# KiCad board Rogelio Pineda part 3-AMLDC-2044B.kicad_pcb (continued)
## Nets (continued)
R0p13: UR0.2 UR0.5 UR0.10 UR0.13 US0.2 US0.5 US0.10 US0.13
R1p1: UR1.1
R1p2: UR1.2
R1p3: UR1.3
R1p4: UR1.4 UR1.13 US1.4 US1.13
R1p5: UR1.5 US1.5
R1p6: UR1.6
R1p7: UR1.7
R1p8: UR1.8
R1p9: UR1.9
R1p10: UR1.10
R1p11: UR1.11
R1p14: UR1.14
R1p15: UR1.15
R1p16: UR1.16
R2p1: UR2.1
R2p4: UR2.4
R2p8: UR2.8
R2p9: UR2.9
R2p11: UR2.11
R2p12: UR2.12
R2p13: UR2.13
R2p14: UR2.14
R2p15: UR2.15
R2p16: UR2.16
R3p1: UR3.1
R3p4: UR3.4
R3p9: UR3.9
R3p10: UR3.5 UR3.10 US3.5 US3.10
R3p12: UR3.12
R3p13: UR3.2 UR3.13 US3.2 US3.13
R4p1: UR4.1
R4p2: UR4.2
R4p3: UR4.3
R4p5: UR4.5
R4p6: UR4.6
R4p7: UR4.7
R4p8: UR4.8
R4p9: UR4.9
R4p10: UR4.10
R4p11: UR4.11
R4p13: UR4.4 UR4.13 US4.4 US4.13
R4p14: UR4.14
R4p15: UR4.15
R4p16: UR4.16
R5p1: UR5.1
R5p2: UR5.2
R5p3: UR5.3
R5p4: UR5.4
R5p5: UR5.5
R5p6: UR5.6
R5p7: UR5.7
R5p8: UR5.8
R5p9: UR5.9
R5p10: UR5.10
R5p11: UR5.11
R5p12: UR5.12
R5p13: UR5.13
R5p14: UR5.14
R6p1: UR6.1
R6p2: UR6.2
R6p3: UR6.3
R6p4: UR6.4
R6p5: UR6.5
R6p6: UR6.6
R6p8: UR6.8
R6p9: UR6.9
R6p10: UR6.10
R6p11: UR6.11
R6p12: UR6.12
R6p13: UR6.13
R7p1: UR7.1
R7p2: UR7.2
R7p3: UR7.3
R7p5: UR7.5
R7p8: UR7.8
R7p9: UR7.9
R7p10: UR7.10
R7p11: UR7.11
R7p12: UR7.12
R7p14: UR7.14
R78p1: R78.1
R82p2: R82.2
S0p1: US0.1
S0p3: US0.3 UT0.3 UU0.3 UV0.3 UW0.13
S0p4: US0.4
S0p6: US0.6 UT0.6 UU0.6 UV0.6 UW0.5
S0p8: US0.8 UT0.8 UU0.8 UV0.8 UW0.9
S0p9: US0.9
S0p11: US0.11 UT0.11 UU0.11 UV0.11 UW0.11
S0p12: US0.12
S1p1: US1.1
S1p2: US1.2
S1p3: US1.3
S1p6: US1.6
S1p7: US1.7
S1p8: US1.8
S1p9: US1.9
S1p10: US1.10
S1p11: US1.11
S1p14: US1.14
S1p15: US1.15
S1p16: US1.16
S2p1: US2.1 US2.2
S2p13: US2.13
S3p1: US3.1
S3p3: US3.3 UT3.3 UU3.3 UV3.3 UW3.13
S3p4: US3.4
S3p6: US3.6 UT3.6 UU3.6 UV3.6 UW3.5
S3p8: US3.8 UT3.8 UU3.8 UV3.8 UW3.9
S3p9: US3.9
S3p11: US3.11 UT3.11 UU3.11 UV3.11 UW3.11
S3p12: US3.12
S4p1: US4.1
S4p2: US4.2
S4p3: US4.3
S4p5: US4.5
S4p6: US4.6
S4p7: US4.7
S4p8: US4.8
S4p9: US4.9
S4p10: US4.10
S4p11: US4.11
S4p14: US4.14
S4p15: US4.15
S4p16: US4.16
S6p1: US6.1
S6p2: US6.2
S6p3: US6.3
S6p5: US6.5
S6p6: US6.6
S6p8: US6.8
S6p9: US6.9
S6p10: US6.10
S6p11: US6.11
S6p12: US6.12
S6p13: US6.13
S7p1: US7.1
S7p2: US7.2
S7p3: US7.3
S7p8: US7.8
S7p9: US7.9
S7p10: US7.10
S7p11: US7.11
S7p12: US7.12
S7p14: US7.14
SEL EN: J1.76
SPARE: J1.79 R56.1
STRT: J1.52
T0p1: UT0.1
T0p4: UT0.4
T0p9: UT0.9
T0p10: UT0.5 UT0.10
T0p12: UT0.12
T0p13: UT0.2 UT0.13
T1p3: UT1.3
T1p4: UT1.4
T1p5: UT1.5
T1p6: UT1.6
T1p8: UT1.8
T1p9: UT1.9
T1p10: UT1.10
T1p11: UT1.11
T2p1: UT2.1 UU2.3
T2p2: UT2.2 UU2.11
T2p4: UT2.4 UU2.6
T2p5: UT2.5 UU2.8
T2p6: UT2.6
T2p8: UT2.8
T2p9: UT2.9
T2p10: UT2.10
T2p12: UT2.12
T2p13: UT2.13
T3p1: UT3.1
T3p4: UT3.4
T3p9: UT3.9
T3p10: UT3.5 UT3.10
T3p12: UT3.12
T6p1: UT6.1
T6p2: UT6.2
T6p3: UT6.3
T6p4: UT6.4
T6p5: UT6.5
T6p6: UT6.6
T6p8: UT6.8
T6p9: UT6.9
T6p10: UT6.10
T6p11: UT6.11
T6p12: UT6.12
T6p13: UT6.13
T7p1: UT7.1
T7p2: UT7.2
T7p3: UT7.3
T7p5: UT7.5
T7p8: UT7.8
T7p9: UT7.9
T7p10: UT7.10
T7p11: UT7.11
T7p12: UT7.12
T7p14: UT7.14
TRK0: J1.84
TRK1: J1.86
TRK2: J1.87
TRK3: J1.83
TRK4: J1.89
TRK5: J1.91
TRK6: J1.73
U0p1: UU0.1
U0p2: UU0.2 UU0.13
U0p4: UU0.4
U0p9: UU0.9
U0p10: UU0.5 UU0.10
U1p1: UU1.1
U1p3: UU1.3 UV1.3 UW1.2
U1p4: UU1.4 UV1.4 UW1.7
U1p5: UU1.5
U1p6: UU1.6
U1p8: UU1.8
U1p9: UU1.9
U1p10: UU1.10 UV1.10 UW1.6
U1p11: UU1.11 UV1.11 UW1.3
U1p12: UU1.12
U1p13: UU1.13
U2p1: UU2.1
U2p2: UU2.2 UV2.12
U2p4: UU2.4
U2p5: UU2.5 UV2.10
U2p9: UU2.9 UV2.8
U2p10: UU2.10
U2p12: UU2.12
U2p13: UU2.13 UV2.2
U3p1: UU3.1
U3p4: UU3.4
U3p9: UU3.9
U3p10: UU3.5 UU3.10
U3p12: UU3.12
U3p13: UU3.2 UU3.13
U4p1: UU4.1
U4p2: UU4.2
U4p3: UU4.3 UV4.3 UW4.2
U4p4: UU4.4 UV4.4 UW4.7
U4p5: UU4.5
U4p6: UU4.6
U4p8: UU4.8
U4p9: UU4.9
U4p10: UU4.10 UV4.10 UW4.6
U4p11: UU4.11 UV4.11 UW4.3
U4p12: UU4.12
U4p13: UU4.13 UV4.13
U5p1: UU5.1
U5p2: UU5.2
U5p4: UU5.4
U5p5: UU5.5
U5p6: UU5.6
U5p8: UU5.8
U5p9: UU5.9
U5p10: UU5.10
U5p12: UU5.12
U5p13: UU5.13
W0p1: UW0.1
W0p2: UW0.2
W0p3: UW0.3
W0p4: UW0.4
W0p6: UW0.6
W0p8: UW0.8
W0p10: UW0.10
W0p12: UW0.12
W1p1: UW1.1
W1p8: UW1.8
W1p9: UW1.9
W1p10: UW1.10
W1p11: UW1.11
W1p13: UW1.4 UW1.13
W1p14: UW1.14
W1p15: UW1.15
W1p16: UW1.16
W2p1: UW2.1
W2p4: UW2.4
W2p6: UW2.6
W2p7: UW2.7
W2p8: UW2.8
W2p9: UW2.3 UW2.9
W2p10: UW2.2 UW2.10
W2p11: UW2.11
W2p13: UW2.13
W2p14: UW2.14
W2p15: UW2.15
W2p16: UW2.16
W3p1: UW3.1
W3p2: UW3.2
W3p3: UW3.3
W3p4: UW3.4
W3p6: UW3.6
W3p8: UW3.8
W3p12: UW3.12
W4p1: UW4.1
W4p8: UW4.8
W4p9: UW4.9
W4p10: UW4.10
W4p11: UW4.11
W4p13: UW4.4 UW4.13
W4p14: UW4.14
W4p15: UW4.15
W4p16: UW4.16
W5p1: UW5.1
W5p2: UW5.2
W5p3: UW5.3
W5p4: UW5.4
W5p5: UW5.5
W5p6: UW5.6
W5p7: UW5.7
W5p8: UW5.8
W5p9: UW5.9
W5p10: UW5.10
W5p11: UW5.11
W5p12: UW5.12
W5p13: UW5.13
W5p14: UW5.14
W5p15: UW5.15
W5p16: UW5.16
W6p1: UW6.1
W6p2: UW6.2
W6p3: UW6.3
W6p4: UW6.4
W6p5: UW6.5
W6p6: UW6.6
W6p8: UW6.8
W6p9: UW6.9
W6p10: UW6.10
W6p11: UW6.11
W6p12: UW6.12
W6p13: UW6.13
WALLOUT: J1.65
WRT: J1.88
~{DATA0}: J2.62
~{DATA1}: J2.65
~{DATA2}: J2.82
~{DATA3}: J2.73
~{DATA4}: J2.61
~{DATA5}: J2.57
~{DATA6}: J2.95
~{DATA7}: J2.55
~{DATA8}: J2.60
~{DATA9}: J2.63
~{DATA10}: J2.75
~{DATA11}: J2.58
~{DATA12}: J2.59
~{DATA13}: J2.64
~{DATA14}: J2.56
~{DATA15}: J2.66
~{DCHA}: J1.60
~{DCHM0}: J2.17
~{DCHM1}: J2.21
~{DCHP IN}: J1.94
~{DCHP OUT}: J1.93
~{DCHR}: J2.35
~{DS0}: J1.72
~{DS1}: J1.68
~{DS2}: J1.66
~{DS3}: J1.46
~{DS4}: J1.62
~{DS5}: J1.64
~{INTP IN}: J1.96
~{INTP OUT}: J1.95
~{INTR}: J2.29
~{MSKO}: J1.38
~{RQENB}: J2.41
~{SELB}: J1.82
~{SELD}: J1.80
/Net-(UG4A-Q): UG4.13

Pads without a net: C1 1 2; C2 1 2; C3 1 2; C4 1 2; C5 1 2; C6 1 2; C7 1 2; C8 2; C9 1 2; C10 1 2; C14 1; C17 1 2; C19 1 2; C20 1 2; C21 1 2; C22 1 2; C23 1 2; C24 1 2; C28 1; C29 1; C32 1; C33 1; C34 1; C35 1; C36 1 2; C37 1 2; C38 1 2; C40 1 2; C44 2; C46 2; C47 1 2; C48 1 2; C49 1 2; C50 1 2; C51 1 2; C52 1 2; C53 1 2; C54 1 2; C57 2; C62 1; C63 1 2; C69 2; C70 2; C71 1; CR2 1 2; CR4 1 2; CR5 1 2; J1 5 7 8 9 11 12 13 14 15 16 17 18 19 20 21 22 23 24 25 26 27 28 29 30 31 32 35 36 37 39 41 43 45 47 49 51 53 55 78 92; J2 5 7 8 9 10 12 14 16 18 20 22 24 26 28 30 31 32 34 40 42 43 44 45 46 47 48 51 52 54 67 68 69 70 71 72 74 76 77 78 79 80 83 85 86 87 88 89 90 91 92 93 94 96; JP1 1; JP4 1; JP5 1; JP7 1 2; JP8 1 2; R1 2; R2 2; R3 1 2; R4 1 2; R5 1 2; R6 1 2; R7 1; R8 1 2; R9 1; R10 1; R11 1 2; R12 1; R14 1 2; R15 2; R18 1; R20 1 2; R21 1 2; R22 1 2; R23 1 2; R24 1 2; R25 1; R26 1 2; R27 1; R28 1 2; R30 1; R31 1 2; R32 1; R33 2; R34 2; R37 1; R38 1; R39 1 2; R40 1 2; R41 1 2; R42 1 2; R43 1 2; R44 1 2; R45 1 2; R46 1 2; R47 2; R48 1 2; R50 2; R54 2; R55 1; R57 1 2; R58 1 2; R59 1 2; R60 1; R61 1 2; R62 1 2; R63 1 2; R64 1; R65 1; R66 1; R67 2; R68 2; R69 1 2; R72 1; R73 2; R74 1 2; R75 1 2; R76 1 2; R78 2; R79 1 2; R80 1 2; R81 1 2; R83 1 2; R84 1 2; R85 1; R86 1 2; R87 1; R88 1; R89 1 2; R90 1 2; R92 1; R94 1; UB5 7 14; UB6 7 9 10 14; UB7 7 14; UB8 4 6 7 13; UC0 14; UC5 7 14; UC6 7 14; UC7 7 14; UC8 7 14; UD5 8 16; UD6 7 14; UD7 7 14; UD8 7 13 14; UE3 4; UE5 5 7 14; UE6 7 14; UE7 3 11; UE8 7 14; UF0 14; UF5 7 14; UF6 7 14; UF7 7 14; UF8 3 7 11 14; UG0 9 10 13; UG4 1 3 11; UG5 7 13 14; UG6 7 14; UG7 7 14; UG8 7 11 12 13 14; UH5 7 14; UH6 7 14; UH7 7 14; UJ0 11 12; UJ6 7 14; UJ7 8 16; UK5 7 14; UK6 8 16; UK7 7 14; UK8 7 14; UL2 6; UL5 8 16; UL6 7 14; UL7 7 14; UM5 7 14; UM6 7 14; UM7 7 14; UM8 5 7 13; UN3 3; UN6 7 14; UN7 3 7 11 14; UP0 9; UP2 7; UP4 1 3 4 7 9 12 13; UP5 3 7 11 14; UP6 7 14; UP7 4 6 7 13; UR6 7 14; UR7 4 6 7 13; US2 3 4 5 6 8 9 10 11 12; US6 4 7 14; US7 4 5 6 7 13; UT2 3 11; UT6 7 14; UT7 4 6 7 13; UU0 12; UU1 2; UU5 3 7 11 14; UV2 11; UV4 8; UV6 2 7 14; UV7 7 14; UW3 10; UW6 7 14; Y1 1 2 3

## Via types
v1: diameter 0.6, hole 0.3, Top to Bottom, 734 vias
v2: diameter 0.8, hole 0.4, Top to Bottom, 22 vias
v3: diameter 0.8, hole 0.3, Top to Bottom, 1 via

## Routing (per net, layer and track width the routed paths; a pad name or vN(x,y) marks a point on that pad's centre or on a via; arc(x,y) is an arc through that point)
+5V: length 4303.4
  Top w0.15: J2.3 81.19,157.4 v2(81.38,157.38) 81.67,157.39 82.27,157.82 83.4,158.34 83.92,158.86 v1(83.72,188.39) 83.92,188.39
  Top w0.25: 379.78,252.56 v1(379.75,252.45) 378.13,252.56 377.77,252.19 377.68,252.28 ; 226.35,53.12 226.35,48.08 ; 226.35,53.12 R66.2 ; 226.35,53.12 226.5,52.97 226.5,55.34 226.76,55.6 ; 226.35,48.08 226.22,47.95 R65.2 ; 226.35,48.08 226.37,48.06 C32.2 ; 342.93,108.91 340.88,108.91 340.13,109.65 ; 226.59,30.94 226.59,20.25 ; 226.59,30.94 226.82,31.17 UV3.14 ; 226.59,30.94 226.37,31.16 C32.2 ; 226.59,20.25 226.69,20.15 R82.1 ; 226.59,20.25 226.59,13.2 ; 426.92,350.21 425.71,348.64 424.96,347.72 424.48,347.27 422.78,346.76 415.32,346.76 414.74,347.35 ; 414.09,286.69 414,286.77 414.11,286.88 414.11,305.99 ; 414.09,286.69 414.09,269.96 ; 414.09,286.69 416.33,286.69 ; 340.93,325.17 341.04,325.28 343.28,325.28 ; 340.93,325.17 340.68,325.42 340.68,330.09 340.68,336.6 341.09,337 ; 340.93,325.17 340.93,306.55 ; 341.3,193.23 341.44,193.09 v1(342.19,193.13) 342.23,193.09 342.31,193.17 ; 341.3,193.23 341.2,193.14 341.2,186.14 ; 341.3,193.23 341.3,219.86 ; 226.94,-6.55 200.41,-6.55 198.79,-4.93 ; 226.94,-6.55 226.59,-6.2 226.59,13.2 ; 226.94,-6.55 227.78,-5.71 261.58,-5.71 ; UH3.14 227.09,255.51 226.82,255.78 ; 413.94,193.06 413.91,193.03 ; 413.94,193.06 414.43,192.56 414.43,175.03 413.37,173.97 413.37,159.26 ; 413.94,193.06 413.94,195.29 v1(413.87,195.36) 413.94,195.42 413.94,205.28 ; 296.34,341.58 298.78,341.58 ; 296.34,341.58 296.08,341.85 296.08,358.21 ; 296.34,341.58 296.65,341.28 296.65,325.26 296.75,325.36 ; 226.76,58.41 226.76,55.6 ; 226.76,58.41 R60.2 ; 226.76,58.41 226.81,58.36 226.81,74.82 ; 226.76,55.6 226.76,55.24 227,55.48 UU3.14 ; 144.4,46.03 144.4,51.5 143.6,52.3 143.6,55.41 ; 144.4,46.03 145.89,44.54 C34.2 ; 144.4,46.03 144.4,41.22 145.62,40 145.62,31.66 ; 414.74,347.35 414.74,341.21 414.81,341.29 ; 414.74,347.35 414.74,366.73 414.13,367.33 378.05,367.33 ; 146.42,141.96 146.42,128 146.49,127.93 ; 146.42,141.96 146.42,170.2 146.49,170.27 ; 146.42,141.96 156.52,141.96 157.38,143.82 UN1.5 ; 296.39,170.38 296.39,186.57 296.14,186.81 ; 296.39,170.38 296.39,153.34 ; 296.39,170.38 296.54,170.24 298.53,170.24 ; UW3.14 227.39,13.39 226.9,12.9 226.59,13.2 ; 259.2,299.09 259.2,287.77 258.91,287.48 258.98,287.41 ; 259.2,299.09 259.2,298.23 259.21,298.23 v1(257.8,298.23) 257.8,298.26 ; 259.2,299.09 259.2,306.5 ; 296.39,153.34 296.58,153.53 298.78,153.53 ; 296.39,153.34 296.39,128.35 ; 296.39,110.33 296.39,76.32 296.37,76.3 ; 296.39,110.33 298.43,110.33 ; 296.39,110.34 296.39,128.35 ; UB3.14 227.25,359.24 227.23,359.22 ; 112.29,170.22 112.14,172.81 110.98,175.19 107.59,179.92 107.59,187.55 ; 112.29,170.22 UM0.14 ; 112.29,170.22 111.72,169.65 110.86,165.77 108.95,161.45 108.32,156.95 108.29,154.42 108,153.64 ; 106.36,364.86 108.18,366.69 140.08,366.69 ; 106.36,364.86 105.4,363.9 R37.2 ; 106.36,364.86 105.38,363.88 ; 378.17,306.13 380.08,306.13 ; 378.17,306.13 378.17,291.06 ; 378.17,306.13 378.24,306.21 378.24,325.19 ; 341.09,337 338.72,337 338.6,336.89 v1(338.6,336.73) 338.44,336.73 338.52,336.81 ; 341.09,337 341.24,337.16 341.24,341.42 ; 185.96,334.84 185.07,333.77 R50.1 ; 341.2,127.99 341.36,127.84 341.48,127.95 342.88,127.95 ; 341.2,127.99 341.2,153.16 ; 341.2,127.99 340.1,127.99 340.02,128.07 340.02,114.42 340.13,114.31 ; UP0.14 108.19,128.35 107.88,128.03 107.88,128.36 ; 378.18,358.03 v1(378.18,363.35) 378.18,366.07 378.75,366.64 378.05,367.33 ; 378.18,358.03 378.18,341.73 ; 378.18,358.03 378.3,357.9 378.33,357.94 380.48,357.94 ; 377.09,153.22 377.09,168.86 376.14,169.81 ; 377.09,153.22 377.27,153.03 377.27,114.72 v1(377.22,114.68) 377.27,114.63 v1(377.27,98.16) 377.27,93.92 377.22,92.92 377.31,91.23 v1(377.13,80.06) 377.04,76.64 ; 377.09,153.22 377.2,153.34 379.33,153.34 ; UL2.14 187.16,186.82 186.62,187.36 ; 376.14,169.81 379.33,169.81 ; 376.14,169.81 376.67,170.34 376.67,186.47 ; UD1.14 146.08,328.2 145.85,327.98 ; 143.97,319.46 v1(144.02,319.41) 144.07,319.37 145.85,319.37 ; 413.37,159.26 413.96,158.67 422.18,158.67 422.42,158.91 424.67,160.66 426.01,162.34 ; 413.37,159.26 412.95,158.84 412.95,142.99 410.82,140.86 410.49,140.13 409.92,139.07 409.92,127.94 409.9,126.98 409.92,126.43 410.63,125.55 411.33,124.89 412.91,123.79 412.91,120.37 412.83,120.29 412.83,76.21 412.82,76.2 ; 259.04,347.54 259.04,342.26 ; 259.04,347.54 v1(259.06,347.55) 259.04,359.3 ; 259.04,347.54 258.47,346.96 257.8,346.96 256.37,348.38 ; 259.04,342.26 261.28,342.26 UC4.14 ; 259.04,342.26 259.04,339.73 ; UL1.14 146.53,186.73 146.49,186.69 ; 186.31,361.36 186.17,361.5 186.17,367.39 185.9,367.67 ; 186.31,361.36 186.38,361.43 UB2.14 ; 186.31,361.36 186.31,343.46 ; 226.05,94.43 226.78,93.7 US3.14 ; 226.05,94.43 226.05,92.57 226.81,91.81 226.81,74.82 ; 226.05,94.43 226.05,109.96 ; 185.87,326.98 UD2.14 ; 185.87,326.98 185.83,326.94 185.8,326.96 R12.2 185.96,330.25 R13.1 185.96,343.11 186.31,343.46 ; 185.87,326.98 185.87,309.13 186,309 ; 296.05,367.44 296.05,363.92 v1(296.08,363.89) 296.05,363.86 296.05,359.75 296.08,358.21 ; 296.05,367.44 340.87,367.44 ; 296.05,367.44 283.86,367.44 ; 110.29,199.23 111.61,199.15 118.23,198.79 118.52,199.08 C65.1 ; 110.29,199.23 110.29,201.21 110.69,202.33 111.76,203.92 112.68,205.59 112.96,217.5 ; 110.29,199.23 107.24,189.87 107.59,187.55 ; 341.24,341.42 341.36,341.54 343.33,341.54 ; 341.24,341.42 341.13,341.54 341.13,358.7 ; 145.94,255.85 145.94,236.32 ; 145.94,255.85 146.13,255.66 UH1.14 ; 145.94,255.85 145.85,255.94 145.85,261.08 ; 145.94,236.32 146.06,236.2 146.06,219.82 146.3,220.05 ; 145.94,236.32 145.99,236.27 146.13,236.41 UJ1.14 ; 259.36,65.66 259.36,55.59 259.19,55.42 259.24,55.37 ; 259.36,65.66 259.36,79.15 258.68,79.83 ; 259.36,65.66 259.5,65.52 259.79,65.81 C18.2 ; 102.36,0.87 102.36,-4.48 101.63,-5.21 102.41,-5.98 145.48,-5.98 ; 102.36,0.87 107.17,0.87 ; 102.36,0.87 101.88,0.87 97.12,5.63 91.27,6.3 v1(91.02,6.51) 88.84,7.35 85.84,7.49 84.78,7.88 82.25,7.92 80.8,7.95 J2.97 ; 340.93,306.55 341.29,306.19 343.28,306.19 ; 340.93,306.55 340.93,300.91 341.17,300.67 341.17,287.02 ; 259.04,271.14 258.98,271.2 258.98,287.41 ; 259.04,271.14 261.33,271.14 UG4.16 ; 259.04,271.14 259.04,259.84 ; 145.85,290.32 145.85,273.79 ; 145.85,290.32 145.85,309.02 ; 145.85,290.32 146.38,289.78 146.55,289.95 UF1.14 ; 145.85,273.79 145.85,261.08 ; 145.85,273.79 146.25,273.39 UG1.14 ; 140.08,366.69 140.11,366.66 145.5,366.66 ; 140.08,366.69 140.93,365.83 140.93,343.99 143.38,341.33 144.48,341.19 145.98,341.63 145.98,341.88 ; 107.17,0.87 107.17,12.5 108.19,13.52 ; 107.17,0.87 107.17,-1.43 v1(105.91,-2.52) 106.03,-2.57 ; 383.83,290.84 378.51,290.84 378.45,290.78 378.17,291.06 ; 107.28,273.93 107.67,273.54 107.67,271.63 ; 107.28,273.93 R93.1 R93.2 ; 107.28,273.93 107.77,273.44 UG0.14 ; 107.67,256.04 108.36,255.35 UH0.14 ; 107.67,256.04 107.4,255.87 R54.1 ; 107.67,256.04 107.74,243.13 ; 107.67,256.04 107.67,271.63 ; 295.92,270.91 296.33,270.5 298.83,270.5 ; 295.92,270.91 295.92,284.65 296.75,285.49 296.75,287.2 ; 295.92,270.91 296.15,270.68 296.15,260.78 296.15,253.15 ; 414.81,341.29 414.94,341.15 414.94,325.21 ; 414.81,341.29 416.68,341.29 ; 259.04,327.02 259.04,306.35 259.2,306.5 ; 259.04,327.02 259.04,339.73 ; 259.04,327.02 259.04,325.74 259.18,325.6 UD4.14 ; 145.85,261.08 146.03,260.9 v1(148,260.98) 148.06,260.9 148.17,261.01 ; 296.75,325.36 296.75,315.58 ; 296.75,325.36 298.66,325.36 ; 296.75,315.58 294.76,315.61 293.73,314.69 ; 296.75,315.58 296.75,306.34 ; 378.17,291.06 377.68,290.57 377.68,269.75 ; 341.17,270.57 341.32,270.41 341.42,270.5 343.19,270.5 ; 341.17,270.57 341.17,253.01 341.13,252.97 341.3,252.81 ; 341.17,270.57 341.17,287.02 ; UM1.14 146.64,170.42 146.49,170.27 ; 296.75,287.2 296.92,287.04 297.07,287.19 298.83,287.19 ; 296.75,287.2 296.75,306.34 ; 226.25,202.32 226.25,225.15 v1(226.41,225.31) 226.25,225.46 226.25,236.41 226.23,236.44 ; 226.25,202.32 229.93,202.28 230.28,202.63 C68.2 ; 226.25,202.32 226.25,187.19 ; 259.04,253.37 259.04,243.21 ; 259.04,253.37 259.04,259.84 ; 259.04,253.37 259.04,253.13 259.24,252.93 259.32,253.01 UH4.16 ; 259.04,243.21 259.04,207.65 ; 259.04,243.21 259.04,242.25 258.72,241.94 R47.1 ; 186,298.28 186,298.07 186.35,297.72 191.04,297.72 190.93,297.83 v1(191.21,297.83) 191.21,297.55 ; 186,298.28 186,296.21 v1(186.1,296.1) 186,296 186,290 186.04,289.96 186.16,290.09 ; 186,298.28 186,309 ; UC2.16 186.38,343.39 186.31,343.46 ; 259.04,359.3 259.71,358.63 UB4.16 ; 259.04,359.3 259.04,367.67 ; 340.87,367.44 341.13,367.18 341.13,363.52 ; 340.87,367.44 363.07,367.44 363.18,367.33 ; 226.23,236.44 226.12,236.33 226.12,255.09 226.82,255.78 ; 226.23,236.44 UJ3.14 ; 186.16,290.09 UF2.14 ; 186.16,290.09 186.28,289.98 186.28,273.44 186.42,273.58 ; v2(118.98,334.84) 118.43,334.28 108.18,334.28 108.18,334.44 ; 377.95,235.68 378.38,236.1 379.78,236.1 ; 377.95,235.68 377.95,220.17 ; 377.95,235.68 377.95,252.01 377.68,252.28 ; 414.09,269.96 414.2,269.85 414.48,270.13 416.23,270.13 ; 414.09,269.96 413.94,269.81 413.94,220.34 ; 107.88,328.44 108.13,328.19 UD0.14 ; 107.88,328.44 107.88,334.13 108.18,334.44 ; 107.88,328.44 107.88,310.74 ; 198.79,-4.93 198.73,-0.63 198.65,4.74 UW2.5 ; 198.79,-4.93 198.79,-5.35 186.03,-5.35 ; 258.68,128.91 C55.1 259.04,138.1 259.04,172.09 ; 258.68,128.91 258.68,128.64 258.68,128.64 259.13,128.19 UP4.16 ; 258.68,128.91 258.68,99.36 ; 226.81,74.82 227.07,74.56 UT3.14 ; 102.98,363.74 104.61,363.74 R37.2 ; 102.98,363.74 R18.2 100.13,361.91 99.95,361.72 ; 102.98,363.74 105.23,363.74 105.38,363.88 ; 261.72,-2.9 261.79,-2.83 v1(261.79,-2.9) 261.72,-2.9 ; 261.72,-2.9 261.66,-2.96 261.58,-2.96 ; UM2.16 186.88,170.16 186.59,170.46 ; 298.73,128.29 296.38,128.29 296.35,128.31 296.39,128.35 ; 296.14,186.81 296.14,204.3 296.22,204.38 ; 296.14,186.81 296.26,186.94 298.6,186.94 ; 296.22,204.38 296.37,204.24 296.43,204.31 298.48,204.31 ; 296.22,204.38 296.22,240.01 ; 143.6,55.41 144.03,55.85 UU1.14 ; 143.6,55.41 143.28,55.74 143.28,74.86 ; 414.94,311.34 414.11,310.51 414.11,309.85 v1(414.13,309.83) 414.11,309.81 414.11,305.99 ; 414.94,311.34 415.1,311.19 421.58,311.19 ; 414.94,311.34 414.94,325.21 ; 146.3,220.05 UK1.14 ; 146.3,220.05 146.3,199.3 ; J1.97 81.21,197.31 v2(81.23,197.28) ; J1.3 87.78,347.08 99.95,361.72 ; US0.14 108.13,93.8 107.99,93.95 108.07,94.03 ; 342.93,153.49 341.68,153.49 341.28,153.08 341.2,153.16 ; 258.98,287.41 UF4.14 ; 186.42,220.05 186.62,219.85 186.62,198.78 ; 186.42,220.05 186.72,219.74 186.77,219.79 UK2.14 ; 186.42,220.05 186.42,236.23 ; 340.13,109.65 340.13,93.99 340.57,93.55 340.71,93.69 342.88,93.69 ; 340.13,109.65 340.13,114.31 ; 377.95,208.07 376.67,206.79 376.67,195.09 ; 377.95,208.07 377.95,220.17 ; 377.95,208.07 379.33,206.69 ; 226.74,309.05 226.74,292.88 226.55,292.7 226.62,292.63 ; 226.74,309.05 UE3.14 ; 226.74,309.05 226.72,309.03 226.55,309.2 226.55,328.78 ; 226.62,292.63 C26.1 ; 226.62,292.63 226.62,290.09 ; 226.55,344.62 226.34,344.83 R27.2 ; 226.55,344.62 226.45,344.72 226.45,359.2 ; 226.55,344.62 226.55,328.78 ; 226.55,344.62 226.74,344.81 UC3.14 ; 145.98,341.88 145.98,344.63 ; 145.98,341.88 145.98,337.49 ; 186.22,55.46 186.03,55.28 186.03,41.54 ; 186.22,55.46 186.35,55.6 UU2.14 ; 186.22,55.46 186.22,75.19 ; 107.59,187.55 108.32,186.82 UL0.14 ; 186.62,198.78 191.88,198.88 192.08,199.08 C67.1 ; 186.62,198.78 186.62,187.36 ; 186.42,273.58 186.42,255.54 ; 186.42,273.58 UG2.14 ; 186.42,255.54 186.42,236.23 ; 186.42,255.54 186.55,255.41 186.7,255.55 UH2.14 ; UV1.14 145.71,31.75 145.62,31.66 ; 259.04,259.84 258.81,259.61 258.61,259.81 R68.1 ; 341.3,252.81 343.18,252.81 ; 341.3,252.81 341.3,236.12 ; 226.55,328.78 227.24,328.1 UD3.16 ; 258.68,79.83 258.99,79.52 268.94,79.52 270.66,82.83 271.44,86.13 ; 258.68,79.83 258.68,99.36 ; 261.58,-5.71 261.58,-2.96 ; 261.58,-5.71 271.64,-5.71 272,-5.36 271.87,-5.23 271.87,5.52 ; 145.85,327.98 145.85,319.37 ; 145.85,327.98 145.85,337.35 145.98,337.49 ; 145.85,319.37 145.85,309.02 ; 107.88,128.36 107.88,153.53 108,153.64 ; 107.88,128.36 107.88,110.77 ; UV2.14 186.48,31.75 186.03,32.2 ; UL3.14 226.61,186.83 226.25,187.19 ; C70.1 226.31,136.24 226.02,136.52 ; 185.9,367.67 217.61,367.67 ; 185.9,367.67 146.5,367.67 145.5,366.66 ; 217.61,367.67 220.53,367.67 ; 217.61,367.67 217.83,367.44 R30.2 ; R64.2 223.57,43.17 C32.2 ; 414.94,325.21 415.17,324.99 416.63,324.99 ; 259.24,55.37 UU4.14 ; 259.24,55.37 259.24,31.3 ; 377.95,220.17 378.87,219.25 379.68,219.25 ; 146.49,170.27 146.49,186.69 ; 259.24,31.3 259.5,31.04 259.57,31.12 UV4.14 ; 259.24,31.3 259.36,31.18 v1(259.36,18.92) 259.36,-2.96 261.58,-2.96 ; 341.2,186.14 341.2,169.85 ; 341.2,186.14 341.55,186.49 342.98,186.49 ; 379.98,270.25 378.18,270.25 377.68,269.75 ; 146.49,127.93 146.81,128.25 UP1.14 ; 146.49,127.93 145.96,125.2 145.85,124.01 145.31,117.62 144.24,115.97 143.46,112.83 142.85,111.3 142.53,110.69 142.31,109.94 142.2,100.96 142.21,98.43 ; 146.49,186.69 146.3,186.88 146.3,199.3 ; 296.22,240.01 296.22,253.08 296.15,253.15 ; 296.22,240.01 297.08,240.01 v1(297.2,240.14) 297.26,240.2 ; 108.07,97.98 108.07,94.03 ; 108.07,97.98 107.88,98.17 107.88,110.77 ; 108.07,97.98 108.1,98.01 110.52,98.01 v1(110.6,98.08) 110.67,98.01 110.8,98.01 ; 108.07,94.03 108.07,87.86 ; 186.48,99.69 186.48,94.03 ; 186.48,99.69 197.21,99.69 198.18,101.55 UR2.5 ; 186.48,99.69 186.3,99.87 R85.2 186.3,136.25 v1(186.12,136.44) 186.3,136.62 186.3,170.17 186.59,170.46 ; 186.48,94.03 186.69,93.82 186.82,93.95 US2.14 ; 186.48,94.03 186.48,79.27 186.53,79.23 186.22,78.92 186.22,75.19 ; 259.04,194.94 259.04,194.04 259.07,194.01 259.41,194.35 UL4.14 ; 259.04,194.94 259.04,207.65 ; 259.04,194.94 259.04,172.09 ; R37.2 108.18,360.5 108.18,334.44 ; 259.04,207.65 v1(260.38,207.77) 260.44,207.65 260.45,207.63 ; 341.2,153.16 341.2,169.85 ; C39.2 263.11,99.11 263.03,99.03 ; 107.88,310.74 108.66,309.96 108.98,309.96 UE0.14 ; 107.88,310.74 107.28,310.13 R93.2 ; 107.88,310.74 112.34,310.74 113.6,309.47 113.6,308.62 115.09,307.13 ; UW0.14 108.64,13.97 108.19,13.52 ; 378.05,367.33 369.26,367.33 ; 341.2,169.85 341.29,169.94 342.98,169.94 ; UV0.14 108.33,31.81 107.91,31.4 ; 377.68,269.75 377.68,252.28 ; 186.03,41.54 186.5,42 C33.2 ; 186.03,41.54 186.03,32.2 ; 107.91,56.04 107.93,56.02 UU0.14 ; 107.91,56.04 107.91,74.84 108.07,75 ; 107.91,56.04 107.91,43.63 ; 341.13,363.52 341.27,363.66 342.16,363.66 ; 341.13,363.52 341.13,361.98 ; 259.04,339.73 259.04,338.58 258.85,338.39 258.15,339.09 R88.2 255.31,336.87 254.09,334.45 ; 341.13,361.98 340.13,360.99 334.48,360.99 ; 341.13,361.98 341.13,358.7 ; 143.28,74.86 143.24,74.82 143.24,78.55 142.21,79.59 142.21,98.43 ; 143.28,74.86 UT1.14 ; UM4.14 259.46,170.26 259.3,170.1 259.04,170.36 259.04,172.09 ; 222.78,367.67 226.02,367.67 ; 222.78,367.67 222.96,367.48 222.96,362.07 v1(223.04,361.99) 222.96,361.91 222.96,361.79 223.03,361.72 ; 222.78,367.67 220.53,367.67 ; 226.02,367.67 259.04,367.67 ; 226.02,367.67 226.49,367.67 226.56,367.59 226.56,362.8 226.62,362.86 v1(226.62,362.73) 226.49,362.73 226.38,362.62 226.45,362.55 226.45,359.2 ; 105.38,363.88 104.88,363.88 104.63,363.63 ; 145.5,366.66 145.5,360.91 145.91,361.32 UB1.14 ; 107.67,271.63 103.38,271.63 R73.1 ; 340.13,114.31 341.68,114.31 ; 226.17,128.35 UP3.14 ; 226.17,128.35 226.02,128.21 226.02,136.52 ; 226.17,128.35 226.05,128.24 226.05,109.96 ; 283.86,367.44 284.19,364.36 R87.2 ; 283.86,367.44 259.04,367.67 ; 220.53,367.67 R29.2 ; 226.78,290.09 226.79,290.09 UF3.16 ; 226.78,290.09 226.62,290.09 ; 226.78,290.09 229.09,290.09 ; 363.66,364.91 363.66,366.86 363.18,367.33 ; 369.26,367.33 370.03,366.56 370.03,362.31 ; 369.26,367.33 363.18,367.33 ; 259.2,306.5 UE4.14 ; 414.11,305.99 414.29,305.82 414.4,305.94 416.78,305.94 ; 107.74,236.56 107.67,236.49 107.67,236.5 107.67,242.84 ; 107.74,236.56 107.74,225.98 112.96,220.76 112.96,217.5 ; 107.74,236.56 UJ0.14 ; 112.96,217.5 113.15,217.31 UK0.14 ; R93.2 R32.2 ; 296.75,306.34 298.63,306.44 ; 258.68,99.36 259.01,99.03 263.03,99.03 ; 226.82,255.78 226.82,273.39 ; 378.18,341.73 378.37,341.54 380.38,341.54 ; 378.18,341.73 378.09,341.64 378.09,325.03 378.24,325.19 ; 413.94,205.28 413.94,208.11 v1(413.96,208.13) 413.94,208.16 413.94,220.34 ; 413.94,205.28 413.83,205.18 ; 378.23,195.63 v1(378.23,195.59) 378.18,195.59 377.68,195.09 376.67,195.09 ; 108.81,243.09 v1(109.18,243.21) 107.74,243.13 ; 376.67,195.09 376.67,186.47 ; 108.19,13.52 108.19,31.12 107.91,31.4 ; 186.03,32.2 186.03,-5.35 ; 186.03,-5.35 185.8,-5.58 158.18,-5.58 157.9,-5.3 ; 227.23,359.22 228.73,359.25 ; 227.23,359.22 226.45,359.2 ; 107.67,242.84 107.74,243.13 ; 107.67,242.84 107.59,242.76 R55.2 ; 186.22,75.19 186.66,74.75 UT2.14 ; 146.3,199.3 146.99,198.61 151.33,198.69 151.53,198.88 C66.2 ; 296.15,253.15 296.42,252.88 298.78,252.88 ; 186.59,170.46 186.62,170.49 186.62,187.36 ; 145.62,31.66 145.62,-5.84 145.48,-5.98 ; 226.02,136.52 226.02,153.2 226.43,153.6 ; 376.67,186.47 376.99,186.15 377.28,186.44 379.38,186.44 ; 226.82,273.39 UG3.14 ; 226.82,273.39 226.55,273.65 226.55,290.03 226.62,290.09 ; 186,309 186.2,309.2 UE2.14 ; UJ2.14 186.97,236.51 186.55,236.09 186.42,236.23 ; 108,153.64 UN0.14 ; 341.13,358.7 341.64,358.19 343.53,358.19 ; UC1.14 146,344.65 145.98,344.63 ; 107.88,110.77 107.88,110.56 108.04,110.4 108.12,110.47 UR0.14 ; 107.91,43.63 108.02,43.53 108.42,43.93 C35.2 ; 107.91,43.63 107.91,31.4 ; 263.03,99.03 264.84,99.03 ; 226.32,170.26 226.29,170.22 226.29,153.75 226.43,153.6 ; 226.32,170.26 UM3.14 ; 226.32,170.26 226.25,170.18 226.25,187.19 ; UW1.5 158.06,-1.59 157.9,-5.3 ; C46.1 145.98,348.69 145.98,344.63 ; UR3.14 226.5,110.41 226.05,109.96 ; 341.3,236.12 341.4,236.01 341.58,236.19 343.18,236.19 ; 341.3,236.12 341.3,219.86 ; 298.98,358.19 297.32,358.19 296.08,358.21 ; 341.17,287.02 341.23,287.09 343.28,287.09 ; 416.08,219.35 413.98,219.35 413.94,219.4 413.94,220.34 ; 145.48,-5.98 157.89,-5.43 157.9,-5.3 ; 378.24,325.19 380.18,325.19 ; 145.98,337.49 145.68,337.19 ; 226.43,153.6 UN3.14 ; 341.3,219.86 341.5,219.66 343.13,219.66 ; 142.21,98.43 143.12,98.43 143.25,98.3 v1(143.43,98.3) 143.43,98.11 143.46,98.09 ; 145.85,309.02 146.03,308.84 146.29,309.1 UE1.14 ; 108.07,75 108.09,74.98 108.3,75.19 UT0.14 ; 108.07,75 108.07,87.86 ; 108.07,87.86 108.16,87.77 ; 99.95,361.72 100.08,361.88
GND: length 3922.6
  Top w0.15: 278.58,162.64 UM4.7 ; 278.58,162.64 278.59,162.62 278.85,162.88 278.85,186.35 ; 278.58,162.64 281.19,160.03 281.19,150.34 ; UE1.7 165.53,301.48 165.61,301.4 165.68,301.47 ; 208.53,364.31 208.53,353.59 ; 208.53,364.31 208.53,365.49 v1(208.58,365.54) 208.53,365.6 208.53,365.71 ; 208.53,364.31 208.51,364.29 C30.2 ; 208.53,353.59 208.53,346.88 ; 208.53,353.59 208.5,353.56 208.25,353.81 UB2.7 ; 433.62,311.23 433.62,307.39 433.67,307.34 433.67,298.53 ; 433.62,311.23 433.62,317.4 ; 433.62,311.23 433.66,311.19 427.93,311.19 ; 281.9,121.29 279.67,121.29 UP4.8 ; 281.9,121.29 281.9,116.2 ; 281.9,121.29 281.9,139.06 ; 397.26,203.17 397.03,203.4 397.03,211.63 ; 397.26,203.17 395.69,203.17 v1(395.6,203.26) 395.51,203.17 395.48,203.17 395.43,203.23 ; 397.26,203.17 397.26,192.06 396.88,191.68 v1(396.82,191.68) 396.82,191.63 396.74,191.54 396.74,178.63 ; 205.96,298.42 205.96,282.45 ; 205.96,298.42 202.8,298.03 198.85,297.93 v1(197.63,298.08) 197.52,298.03 ; 205.96,298.42 205.96,301.19 ; 205.96,282.45 205.96,266.06 206.06,265.96 ; 205.96,282.45 205.93,282.42 205.87,282.47 UF2.7 ; 165.88,194.42 165.88,179.35 166.13,179.11 ; 165.88,194.42 165.93,194.47 165.93,212.65 ; 165.88,194.42 163,194.69 160.13,194.69 159.83,194.39 C66.1 ; 316.5,245.1 316.4,244.99 316.13,245.27 314.02,245.27 ; 316.5,245.1 316.5,258.29 ; 316.5,245.1 316.5,197.24 315.94,196.69 ; UF1.7 165.66,282.33 165.95,282.03 165.95,282.16 ; 247.93,282.59 246.87,282.59 UF3.8 ; 247.93,282.59 246.65,282.62 246.61,282.57 ; 247.93,282.59 248.59,282.57 249,282.16 ; 358.12,120.33 359.79,120.33 360.1,120.03 360.29,120.22 ; 165.95,261.26 165.95,247.98 165.93,247.96 ; 165.95,261.26 165.95,261.14 165.44,260.63 165.09,260.99 C62.2 154.9,260.99 ; 165.95,261.26 165.95,265.6 ; UH4.9 281.34,253.01 282.03,252.32 ; 315.94,196.69 315.94,194.53 318.42,192.05 318.42,178.83 ; 315.94,196.69 313.72,196.69 ; 281.37,351.21 280.95,350.8 280.74,351.01 UB4.8 ; 281.37,351.21 281.37,358.97 ; 281.37,351.21 281.37,346.64 280.9,345.66 280.11,343.07 279.52,339.57 279.36,338.6 279.26,338.47 279.11,337.47 279.11,334.8 278.71,334.4 ; UD4.7 276.91,318.02 279.28,318.02 ; 422.36,84.84 422.54,84.84 v1(422.63,84.93) 422.72,84.84 423.95,84.84 428,88.89 428,90.89 ; 395.42,317.56 396.64,317.56 397.14,317.06 397.55,317.47 ; C67.2 200.48,194.59 200.53,194.53 206.09,194.53 ; US1.12 158.76,95.18 159.28,96.11 159.9,96.77 160.65,97.27 162.57,97.89 163.31,98.12 164.05,98.12 v1(164.09,98.16) 164.13,98.12 167.98,98.12 168.53,98.67 ; UN3.7 244.8,146.69 246.34,146.69 ; 246.6,-2.93 v1(246.56,-2.9) 246.34,-2.68 246.34,6.99 ; 281.9,263.52 281.9,272.61 281.34,273.17 ; 281.9,263.52 283.82,263.52 284.19,263.16 284.19,259.46 282.06,257.33 282.06,252.34 282.03,252.32 ; 281.9,263.52 279.51,263.52 UG4.8 ; 363.13,220.34 363.13,212.01 ; 363.13,220.34 363.13,219.9 362.89,219.66 360.91,219.66 ; 363.13,220.34 363.13,224.25 360.77,226.61 360.77,228.56 360.78,228.57 ; 363.13,212.01 362.91,211.78 362.66,212.03 360.91,212.03 ; 363.13,212.01 363.13,208.11 363.26,207.98 362.53,207.25 362.53,205.26 360.13,202.87 360.13,191.71 ; 360.29,120.22 360.29,113.67 ; 360.29,120.22 360.29,145.66 ; 360.29,113.67 359.53,114.43 359.01,114.43 358.9,114.31 348.03,114.31 347.37,115.87 346.76,117.15 346.31,118.04 345.94,118.82 345.42,119.76 345.42,120.33 ; 360.29,113.67 360.29,98.23 ; 396.74,114.76 396.74,97.46 ; 396.74,114.76 396.59,114.62 396.55,114.66 390.16,114.66 389.44,110.81 389.39,108.86 ; 396.74,114.76 396.74,125.43 ; 396.74,97.46 396.74,79.66 ; 396.74,97.46 396.04,96.76 390.63,96.76 389.58,95.28 389.19,93.54 ; UV1.7 164.71,24.13 165.89,22.96 ; 360.78,317.55 360.93,317.7 360.93,330.76 ; 360.78,317.55 360.67,317.67 358.52,317.67 ; 360.78,317.55 360.78,298.03 ; UB3.7 244.76,352.29 249.23,352.29 ; 314.07,279.56 315.98,279.56 316.43,279.11 316.5,279.18 ; 168.53,98.67 168.84,98.35 168.84,84.19 166.15,81.49 166.15,67.51 ; 168.53,98.67 168.53,112.88 166.07,115.33 ; 397.49,245.37 396.71,244.59 396.36,244.94 395.04,244.94 v1(394.81,244.95) 395.01,244.94 395.02,244.94 ; 397.49,245.37 397.49,262.27 ; 397.49,245.37 397.49,240.31 397.46,240.28 399.47,238.28 399.47,228.1 ; 360.03,162.31 360.51,161.83 360.51,145.88 360.29,145.66 ; 360.03,162.31 360.13,162.22 360.13,178.96 ; 360.03,162.31 358.22,162.31 ; 316.16,101.66 315.87,101.38 315.87,76.36 ; 316.16,101.66 315.11,102.71 313.67,102.71 ; 316.16,101.66 316.16,121.25 ; 246.34,6.99 246.34,5.84 246.16,5.65 246.04,5.77 UW3.7 ; 246.34,6.99 246.34,24.76 ; 281.9,139.06 281.72,139.06 280,137.34 v1(280,137.29) 279.95,137.29 279.88,137.22 ; 281.9,139.06 281.9,149.63 281.19,150.34 ; C13.2 208.89,347.24 208.53,346.88 ; UM1.7 165.42,162.8 165.76,162.45 166.05,162.74 ; 248.97,290.16 248.97,282.19 249,282.16 ; 248.97,290.16 249.06,290.25 249.06,292.08 246.47,294.67 ; 248.97,290.16 248.85,290.28 248.68,290.28 248.49,290.09 UF3.9 ; 281.19,150.34 281.39,150.14 281.34,150.19 280.26,150.19 v1(280.24,150.16) 280.21,150.19 280.06,150.19 ; 246.62,86 246.34,85.73 245.99,86.08 US3.7 ; 246.62,86 246.62,66.81 246.48,66.94 ; 246.62,86 246.62,103.5 ; 279.22,48.13 279.29,48.06 278.99,47.75 UU4.7 ; 279.22,48.13 279.22,65.94 ; 279.22,48.13 279.22,22.83 ; 360.29,145.66 360.09,145.87 358.17,145.87 ; 166.13,179.11 UL1.7 ; 166.13,179.11 166.13,162.81 166.05,162.74 ; UL2.7 205.95,179.2 206.06,179.09 206.09,179.12 ; 279.36,283.85 279.36,282.18 UF4.7 ; 279.36,283.85 279.36,299.09 ; 279.36,283.85 279.36,274.61 280.8,273.17 281.34,273.17 ; 397.44,290.84 390.18,290.84 ; 397.44,290.84 397.49,290.78 397.49,278.53 ; 397.44,290.84 397.55,290.94 397.55,298.13 ; 206.06,229.3 205.64,228.89 UJ2.7 ; 206.06,229.3 206.06,212.32 ; 206.06,229.3 206.06,247.75 ; 281.34,273.17 279.31,271.15 UG4.9 ; 208.79,162.95 208.79,172.44 206.09,175.14 ; 208.79,162.95 208.38,162.54 UM2.8 ; 208.79,162.95 208.79,157.58 ; 360.13,178.96 360.13,191.71 ; 360.13,178.96 359.97,178.8 359.91,178.87 358.22,178.87 ; J2.99 80.65,4.78 v1(80.76,4.67) 80.86,4.78 80.87,4.78 80.88,4.77 ; 394.57,145.72 395.54,146.69 396.2,146.69 396.74,147.22 ; 206.06,265.96 206.06,247.75 ; 206.06,265.96 UG2.7 ; 206.06,247.75 205.87,247.93 UH2.7 ; 360.78,263.52 360.78,262.98 360.68,262.88 358.43,262.88 ; 360.78,263.52 360.78,279.67 ; 360.78,263.52 360.78,245.75 ; 206.09,179.12 206.09,175.14 ; 206.09,179.12 206.09,194.53 ; 206.09,175.14 206.06,175.11 202.73,174.49 201.04,174.33 196.28,173.73 ; 208.79,157.58 208.79,136.54 v1(208.79,136.53) 208.79,136.53 208.79,125.41 208.89,125.32 208.89,122.77 209.13,122.53 v1(209.32,122.53) 209.32,122.35 209.38,122.29 209.38,114.99 208.21,113.81 208.6,113.42 208.6,107.95 ; 208.79,157.58 208.5,157.28 201.95,157.15 ; 166.05,345.19 166,345.13 ; 166.05,345.19 166.21,345.19 ; 166.05,345.19 166.05,336.8 165.97,336.88 ; 279.36,299.09 277.13,299.09 UE4.7 ; 279.36,299.09 279.28,299.16 279.28,318.02 ; 165.89,22.96 165.89,41.37 166.15,41.63 ; 165.89,22.96 165.89,19.18 168.3,16.77 168.3,1.4 ; 166,320.29 165.68,319.98 C43.2 165.68,301.47 ; 166,320.29 165.71,320.58 UD1.7 ; 166,320.29 166,332.06 166.06,332.12 ; 246.35,197.79 246.38,197.76 240.08,198.21 239.08,198.19 C68.1 ; 246.35,197.79 246.35,179.03 246.29,178.97 246.06,179.21 UL3.7 ; 246.35,197.79 246.35,228.65 ; 281.9,100.16 281.9,89.79 281.16,89.05 281.02,83.91 279.38,80.89 278.35,79.45 278.35,75.74 279.22,74.87 279.22,65.94 ; 281.9,100.16 281.9,99.94 281.31,99.35 272.73,99.35 272.49,99.11 C39.1 271.21,97.41 271.16,97.36 ; 281.9,100.16 281.9,116.2 ; 206.09,194.53 206.09,212.29 206.06,212.32 ; 165.93,247.96 165.89,247.92 165.77,248.04 UH1.7 ; 165.93,247.96 165.93,228.96 ; 394.62,178.81 396.55,178.81 396.74,178.63 ; 166.05,162.74 166.66,162.14 166.66,158.4 166.78,158.4 168.53,156.65 168.41,156.53 v1(168.41,154.24) 168.26,148.63 167.75,146.53 167.79,145.4 166.58,143.41 166.27,121.91 166.27,121.14 166.07,120.94 ; 317.98,145.91 318.05,145.98 317.98,146.05 317.98,152.65 318.94,153.61 318.94,161.89 317.32,161.89 315.88,163.33 ; 317.98,145.91 317.98,143.3 318.18,143.1 316.16,141.07 316.16,121.25 ; 317.98,145.91 316.56,145.91 ; UV4.7 278.56,23.5 279.22,22.83 ; 360.93,351.5 359.99,350.56 358.77,350.56 ; 360.93,351.5 v1(360.85,364.07) 360.93,364.11 360.89,364.15 ; 360.93,351.5 360.93,334.34 ; 166.06,332.12 166.21,331.97 170.01,331.97 v1(170.14,332.11) 170.28,331.97 170.33,331.97 170.45,332.1 ; 166.06,332.12 165.97,332.2 165.97,336.88 ; 208.53,346.88 208.53,335.96 208.72,335.77 ; 397.49,278.53 397.49,262.27 ; 397.49,278.53 396.78,279.24 395.32,279.24 ; 397.49,262.27 396.85,262.33 395.22,262.63 ; 249.06,328.24 248.92,328.1 UD3.9 ; 249.06,328.24 249.06,320.53 ; 249.06,328.24 249.06,337.4 ; 431.76,361.22 433.67,361.22 433.75,361.14 433.75,346.91 433.6,346.76 ; 431.76,361.22 431.43,361.38 429.22,361.38 ; 431.76,361.22 v1(431.67,362.32) 431.73,362.38 ; 433.67,298.53 433.67,279.21 ; 433.67,298.53 433.45,298.31 432.02,298.31 ; 433.67,279.21 433.67,262.85 ; 433.67,279.21 433.45,278.99 433.38,279.06 431.57,279.06 ; UB4.9 279.46,358.97 281.37,358.97 ; 166.21,345.19 166.29,350.82 166.17,353.92 ; 166.21,345.19 CR3.2 ; 282.03,245.75 282.03,240.63 281.78,240.37 280.44,238.45 279.59,236.24 278.89,234.54 278.87,232.85 278.87,204.05 278.43,203.61 v1(278.43,203.58) 278.4,203.58 278.39,203.56 278.39,186.82 278.85,186.35 ; 282.03,245.75 282.03,252.32 ; 282.03,245.75 282.03,245.33 282.01,245.3 281.92,245.39 UH4.8 ; 154.36,260.76 154.49,260.89 v1(154.53,260.89) 154.53,260.93 154.59,260.99 ; 360.78,228.57 360.78,245.75 ; 360.78,228.57 360.35,228.15 359.94,228.56 358.42,228.56 ; 166.17,353.92 165.95,353.7 163.02,353.7 ; 166.17,353.92 166.17,354.52 166.68,355.03 166.68,364.75 167.31,365.39 168.08,365.39 v1(168.12,365.43) 168.16,365.39 168.59,365.39 168.67,365.3 168.67,364.92 169.16,364.44 C16.2 174.74,363.9 174.66,363.86 ; 396.74,125.43 396.5,125.2 391.21,125.2 391.06,125.35 390.16,126.39 389.39,127.86 ; 396.74,125.43 396.74,147.22 ; UR4.12 271.84,111.99 272.2,113.48 273.2,114.48 281.75,114.48 281.9,114.64 281.9,116.2 ; 318.56,317.55 318.38,317.74 316.44,317.74 ; 318.56,317.55 318.18,317.17 318.18,314.6 316.5,312.91 316.5,298.52 ; 318.56,317.55 318.63,317.62 318.63,328.2 316.05,330.78 316.05,333.66 315.81,333.91 ; UH3.7 246.16,247.89 246.35,247.7 ; 208.24,319.36 209.09,318.52 209.09,313.18 205.96,310.05 205.96,301.19 ; 208.24,319.36 208.58,319.36 208.6,319.34 208.86,319.6 208.86,327.55 210.16,328.86 210.16,334.63 209.87,334.63 208.72,335.77 ; 208.24,319.36 UD2.7 ; 433.6,346.76 433.62,346.75 433.62,332.97 ; 433.6,346.76 429.13,346.76 ; UC3.11 237.19,347.35 237.33,348.04 249.2,348.07 249.23,348.1 ; 246.47,265.79 246.47,247.81 246.35,247.7 ; 246.47,265.79 246.35,265.67 246.25,265.77 UG3.7 ; 246.47,265.79 246.47,277.98 246.67,277.98 249,280.3 249,282.16 ; 208.8,-3 208.8,-2.92 v1(208.79,-2.91) 208.8,-2.9 208.8,17.41 208.96,17.57 208.91,17.62 206.74,17.62 ; 397.55,317.47 397.55,333.61 ; 397.55,317.47 397.55,298.13 ; UU3.7 246.11,47.86 246.34,47.62 ; 205.96,301.19 205.57,301.58 UE2.7 ; 205.89,86.34 205.89,86.2 206.5,85.59 206.5,67.34 ; 205.89,86.34 205.89,88.85 208.92,91.88 208.92,92.89 208.6,93.22 208.6,107.95 ; 205.89,86.34 205.86,86.31 205.84,86.33 US2.7 ; 397.55,350.27 397.55,333.61 ; 397.55,350.27 397.55,363.45 v1(397.61,363.51) 397.55,363.56 397.55,363.59 ; 397.55,350.27 397.51,350.31 395.72,350.31 ; 397.55,333.61 397.52,333.58 397.18,333.92 395.62,333.92 ; 279.28,318.02 279.36,318.1 279.36,333.75 278.71,334.4 ; 345.42,86.06 345.69,84.69 345.83,84.06 346.04,83.59 346.17,82.79 346.51,81.67 347.06,81.12 360.35,81.12 360.35,86.1 360.29,86.16 ; 429.22,361.38 429.14,361.46 427.61,361.46 427.23,360.46 426.64,359.41 426.92,358.65 426.92,357.83 ; 429.22,361.38 429.22,362.38 v1(429.17,362.43) 429.22,362.49 ; 431.47,262.51 433.34,262.51 433.67,262.85 ; 435.02,147.03 434.48,146.49 434.34,142.51 432.47,139.01 431.74,137.05 429.18,133.63 C8.1 ; 435.02,147.03 434.86,147.2 434.86,161.81 434.64,162.03 435.02,162.4 435.02,167.66 435.66,168.31 435.66,171.14 434.05,172.75 434.05,174.78 v1(434.08,174.82) 434.05,174.85 434.05,175.91 430.03,179.92 430.03,185.66 431.05,186.69 431.05,190.14 432.05,191.13 432.05,191.27 v1(432.02,191.3) 432.05,191.32 432.05,196.25 432.86,197.06 432.86,206.04 433.18,206.36 433.18,214.69 ; 435.02,147.03 430.57,147.03 ; UR3.7 244.38,102.57 246.01,102.57 246.62,103.18 246.62,103.5 ; 360.93,334.34 360.48,333.89 360.46,333.92 358.57,333.92 ; 360.93,334.34 360.93,330.76 ; 397.55,298.13 397.43,298.01 396.93,298.51 395.32,298.51 ; 246.35,247.7 246.35,228.65 ; 246.35,228.65 246.29,228.59 246.07,228.82 UJ3.7 ; 316.16,121.25 315.57,120.67 313.97,120.67 ; 316.16,350.74 316.16,363.66 v1(316.19,363.69) 316.16,363.73 316.16,363.83 ; 316.16,350.74 316.16,345.79 ; 316.16,350.74 315.98,350.56 314.22,350.56 ; 206.5,24.31 206.32,24.13 UV2.7 ; 206.5,24.31 206.5,47.58 ; 206.5,24.31 206.74,24.07 206.74,17.62 ; 316.38,179.31 317.93,179.31 318.42,178.83 ; 426.59,106.27 428.41,104.46 428.41,99.26 428,98.85 428,90.89 ; 316.5,258.29 315.09,258.29 v1(315.02,258.22) 314.92,258.12 ; 316.5,258.29 316.5,263.58 ; 208.6,107.95 207.82,107.95 v1(207.37,107.75) 207.16,107.62 ; 249.06,320.53 249.01,320.48 UD3.8 ; 249.06,320.53 249.06,316.63 248.13,315.7 248.13,313.61 247.19,312.68 247.19,311.31 246.96,311.08 246.96,309.62 246.47,309.13 246.47,301.27 ; 282.06,1.91 282.06,15.39 279.82,17.62 279.82,22.23 279.22,22.83 ; 282.06,1.91 282.06,-2.8 281.83,-3.03 v1(281.83,-3.1) 281.75,-3.1 281.6,-3.25 ; 282.06,1.91 282.06,0.59 279.66,0.46 279.03,0.47 276.88,0.51 276.26,0.61 275.27,0.82 274.1,1.69 273.92,1.9 273.69,2.07 273.1,2.82 273.01,6.92 272.86,7.61 272.64,8.65 272.42,9.24 272.18,10.44 272,11.06 271.93,11.54 271.91,12.02 271.87,13.14 ; 206.06,212.32 205.9,212.17 UK2.7 ; 360.78,245.75 360.78,245.06 360.67,244.96 360.45,245.19 358.42,245.19 ; UM2.15 191.52,170.65 191.75,172.76 192.27,173.45 192.73,173.71 192.75,173.73 196.28,173.73 ; US4.12 271.14,94.05 271.16,97.36 ; 396.74,79.66 396.74,75.67 396.76,75.64 ; 396.74,79.66 396.59,79.51 396.37,79.74 390.01,79.74 389.09,75.88 ; 271.16,97.36 271.17,99.12 ; 399.47,228.1 399.47,220.48 399.53,220.42 397.08,217.98 397.08,211.58 397.03,211.63 ; 399.47,228.1 399.41,228.04 398.96,228.49 397.56,228.49 ; 316.5,263.58 315.71,262.79 315.61,262.88 314.07,262.88 ; 316.5,263.58 316.5,279.18 ; 246.48,66.94 246.48,47.77 246.34,47.62 ; 246.48,66.94 UT3.7 ; 246.53,362.76 v1(246.47,362.7) 246.53,362.4 248.88,360.05 248.88,352.64 249.23,352.29 ; 360.93,330.76 359.11,330.51 348.56,330.59 347.03,330.09 ; 279.22,65.94 278.76,65.47 278.42,65.81 C18.1 ; 315.81,333.91 315.75,333.97 314.02,333.97 ; 315.81,333.91 316.16,334.25 316.16,345.79 ; 249.23,348.1 249.23,352.29 ; 249.23,348.1 249.06,337.4 ; 246.34,146.69 246.35,146.69 ; 246.34,146.69 246.34,136.42 v1(246.29,136.36) 246.34,136.3 246.34,135 246.62,134.72 246.62,121.29 ; 360.29,86.16 360.29,98.23 ; 360.29,86.16 360.18,86.06 360.18,86.06 358.12,86.06 ; 208.72,335.77 UC2.8 ; 281.37,358.97 281.37,363.26 280.59,364.03 v1(280.16,364.08) 280.21,364.03 ; 278.85,186.35 276.98,186.35 UL4.7 ; 246.35,146.69 246.32,163.35 ; 246.35,146.69 246.35,180.49 ; 246.34,47.62 246.34,24.76 ; 246.34,24.76 246.34,23.67 245.98,23.31 245.73,23.55 UV3.7 ; 236.48,290.17 236.48,282.55 ; 397.03,211.63 394.92,211.63 ; 360.78,279.67 360.78,298.03 ; 360.78,279.67 360.57,279.47 358.52,279.47 ; 278.71,334.4 UC4.7 ; 165.68,301.47 165.95,301.19 165.95,282.16 ; 206.74,17.62 200.4,17.62 199.72,16.68 199.16,15.81 198.97,15.16 UW2.12 ; 360.29,98.23 359.2,97.92 354.1,98.01 346.8,98.13 346.34,98.75 346.2,99.16 345.47,101.29 ; 165.97,336.88 165.82,337.03 UC1.7 ; 200.58,156.8 200.54,156.76 ; 200.54,156.76 199.21,155.72 199.12,153.94 UN2.12 ; 200.54,156.76 201.23,156.93 202.28,157.16 ; 318.42,178.83 317.05,177.45 317.05,173.43 316.23,172.61 316.23,166.49 315.88,166.15 315.88,163.33 ; UW1.12 158.33,12.06 158.45,11.48 158.63,10.48 159.04,9.75 159.32,8.71 159.45,8.21 159.48,4.05 159.73,3.28 159.97,2.84 160.47,2.54 161.23,2.15 162.83,1.69 164.02,1.4 168.3,1.4 ; UE3.7 246.31,301.43 246.47,301.27 ; 246.47,301.27 246.47,294.67 ; 246.47,294.67 246.26,294.47 239.43,294.47 238.35,293.89 237.33,293.48 C26.2 236.48,290.19 UF3.13 UF3.4 ; 316.5,298.52 316.2,298.81 313.87,298.81 ; 316.5,298.52 316.47,298.49 ; 316.5,298.52 316.5,279.18 ; 166.15,67.51 165.6,66.96 165.32,67.24 UT1.7 ; 166.15,67.51 166.15,48.23 ; UU2.7 205.85,47.98 206.37,47.45 206.5,47.58 ; 394.57,162.19 396.38,162.19 396.74,162.54 ; 206.5,67.34 206.07,66.91 205.84,67.13 UT2.7 ; 206.5,67.34 206.5,47.58 ; 360.78,298.03 360.24,298.56 358.52,298.56 ; UP1.7 165.77,120.63 166.07,120.94 ; 168.3,1.4 168.33,1.37 ; 168.3,1.4 168.52,1.18 v1(168.41,-2.83) 168.52,-2.91 ; 166.15,48.23 165.39,47.47 164.63,48.23 UU1.7 ; 166.15,48.23 166.15,41.63 ; 183.36,361.82 183.28,361.91 v1(183.28,361.99) 183.19,361.99 183.11,362.08 181.75,362.08 180.31,362.63 178.78,363.1 174.74,363.82 ; 433.18,214.69 422.62,214.34 422.59,214.36 421.89,213.23 421.16,211.74 ; 433.18,214.69 433.02,224.09 433.67,262.85 ; 196.28,173.73 195.89,173.68 ; 166.15,41.63 166.03,41.51 164.79,41.51 v1(164.7,41.27) 164.7,41.42 ; 165.95,282.16 165.95,265.6 ; 165.95,265.6 165.91,265.56 165.7,265.77 UG1.7 ; 246.62,103.5 246.62,121.29 ; 165.93,228.96 165.93,228.8 165.94,228.79 UJ1.7 ; 165.93,228.96 165.93,212.65 ; 431.87,317.37 433.38,317.37 433.48,317.26 433.62,317.4 ; 433.62,317.4 433.62,332.97 ; 360.13,191.71 360.26,191.59 361.54,191.59 361.66,191.71 v1(361.66,191.78) 361.73,191.78 ; 166.07,120.94 166.07,115.33 ; 166.07,115.33 166.07,115.22 165.72,114.87 160.23,114.87 159.49,113.7 UR1.12 ; 431.42,334.02 432.58,334.02 433.62,332.97 ; UK1.7 165.51,212.43 165.68,212.26 165.93,212.5 165.93,212.65 ; 396.74,178.63 396.74,162.54 ; 428,90.89 427.5,90.39 ; 315.88,163.33 315.16,162.62 313.77,162.62 ; 314.95,345.83 v1(315.09,345.83) 316.05,345.83 316.12,345.76 316.16,345.79 ; 396.74,147.22 396.74,162.54 ; 246.62,121.29 246.62,120.37 246.29,120.04 244.85,120.04 UP3.7 ; 249.06,337.4 UC3.7 ; 246.32,162.57 246.25,162.64 UM3.7